# KiCad board 2 - CPU and core components (Rev 2.2).kicad_pcb
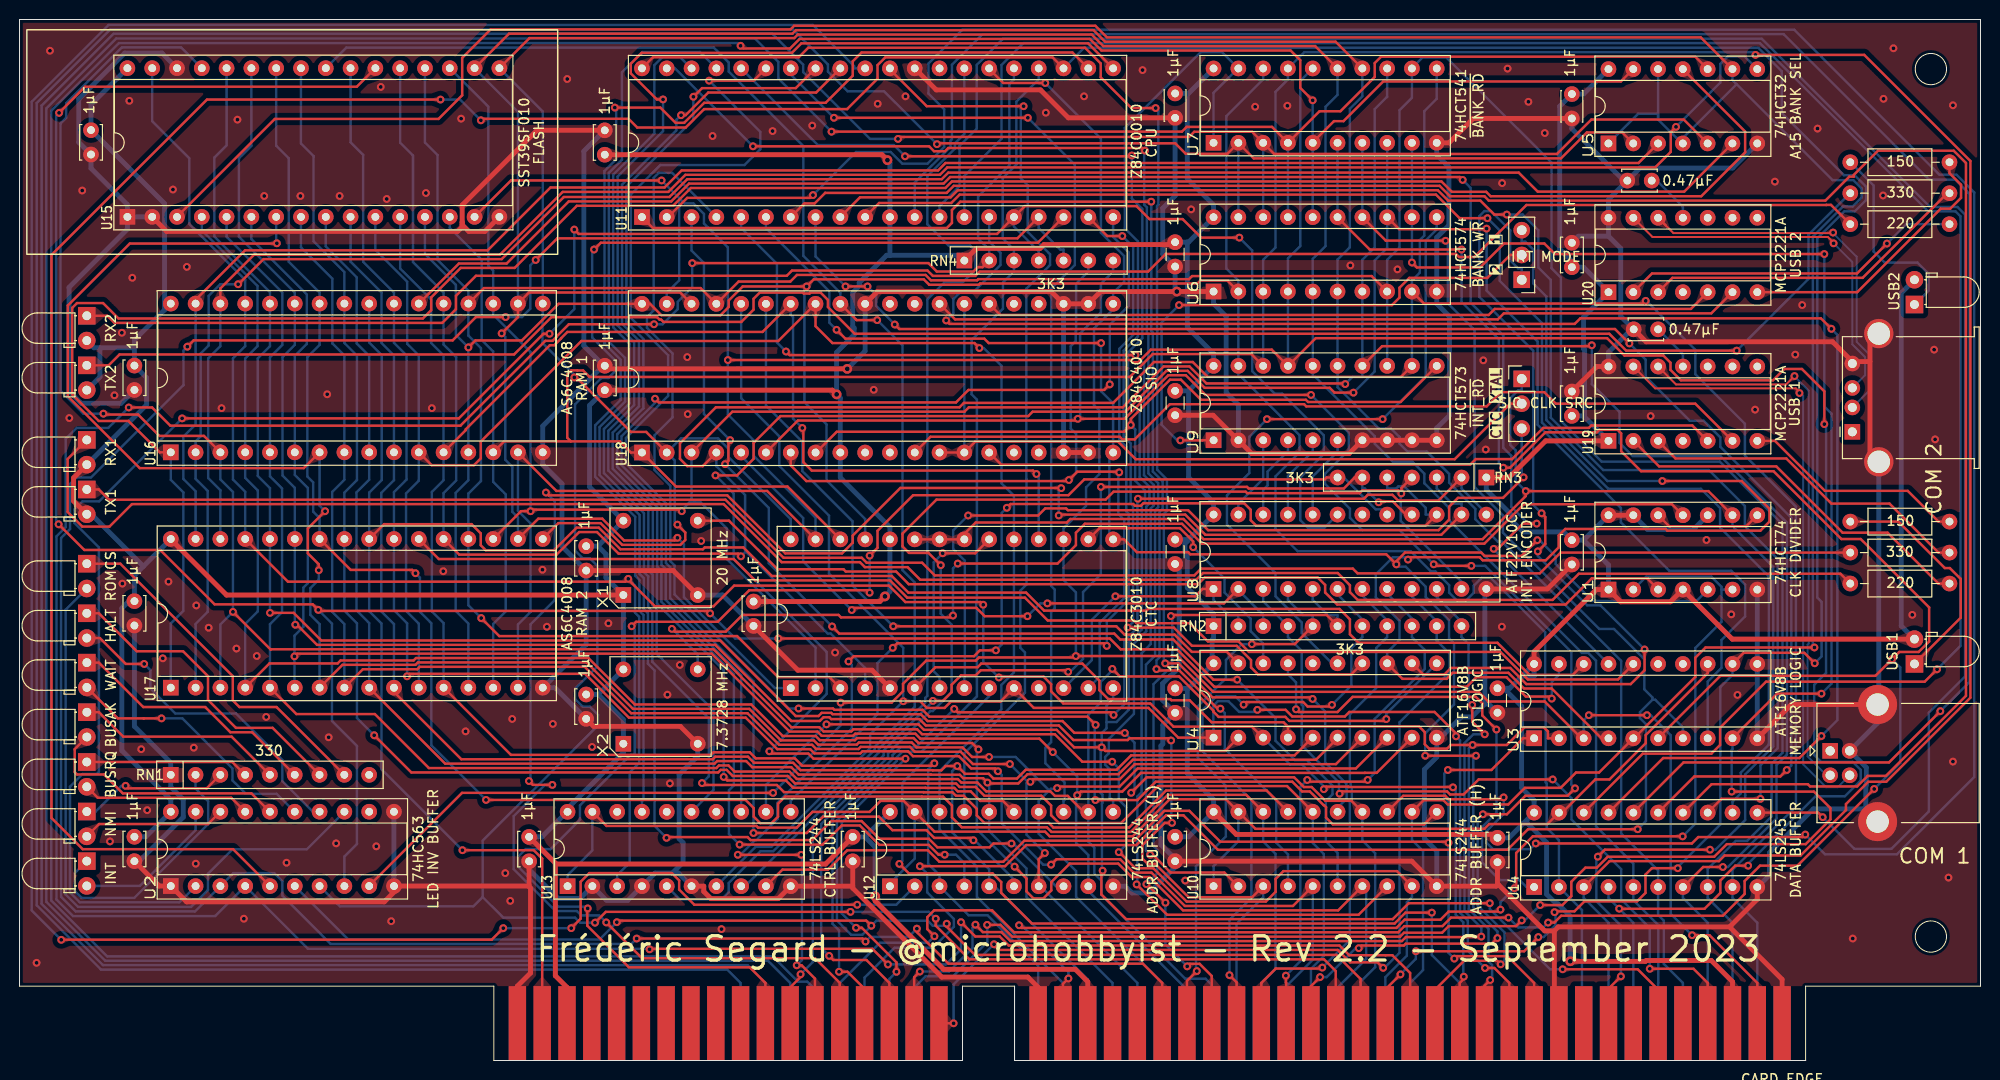
[diagram p0: board, top side]
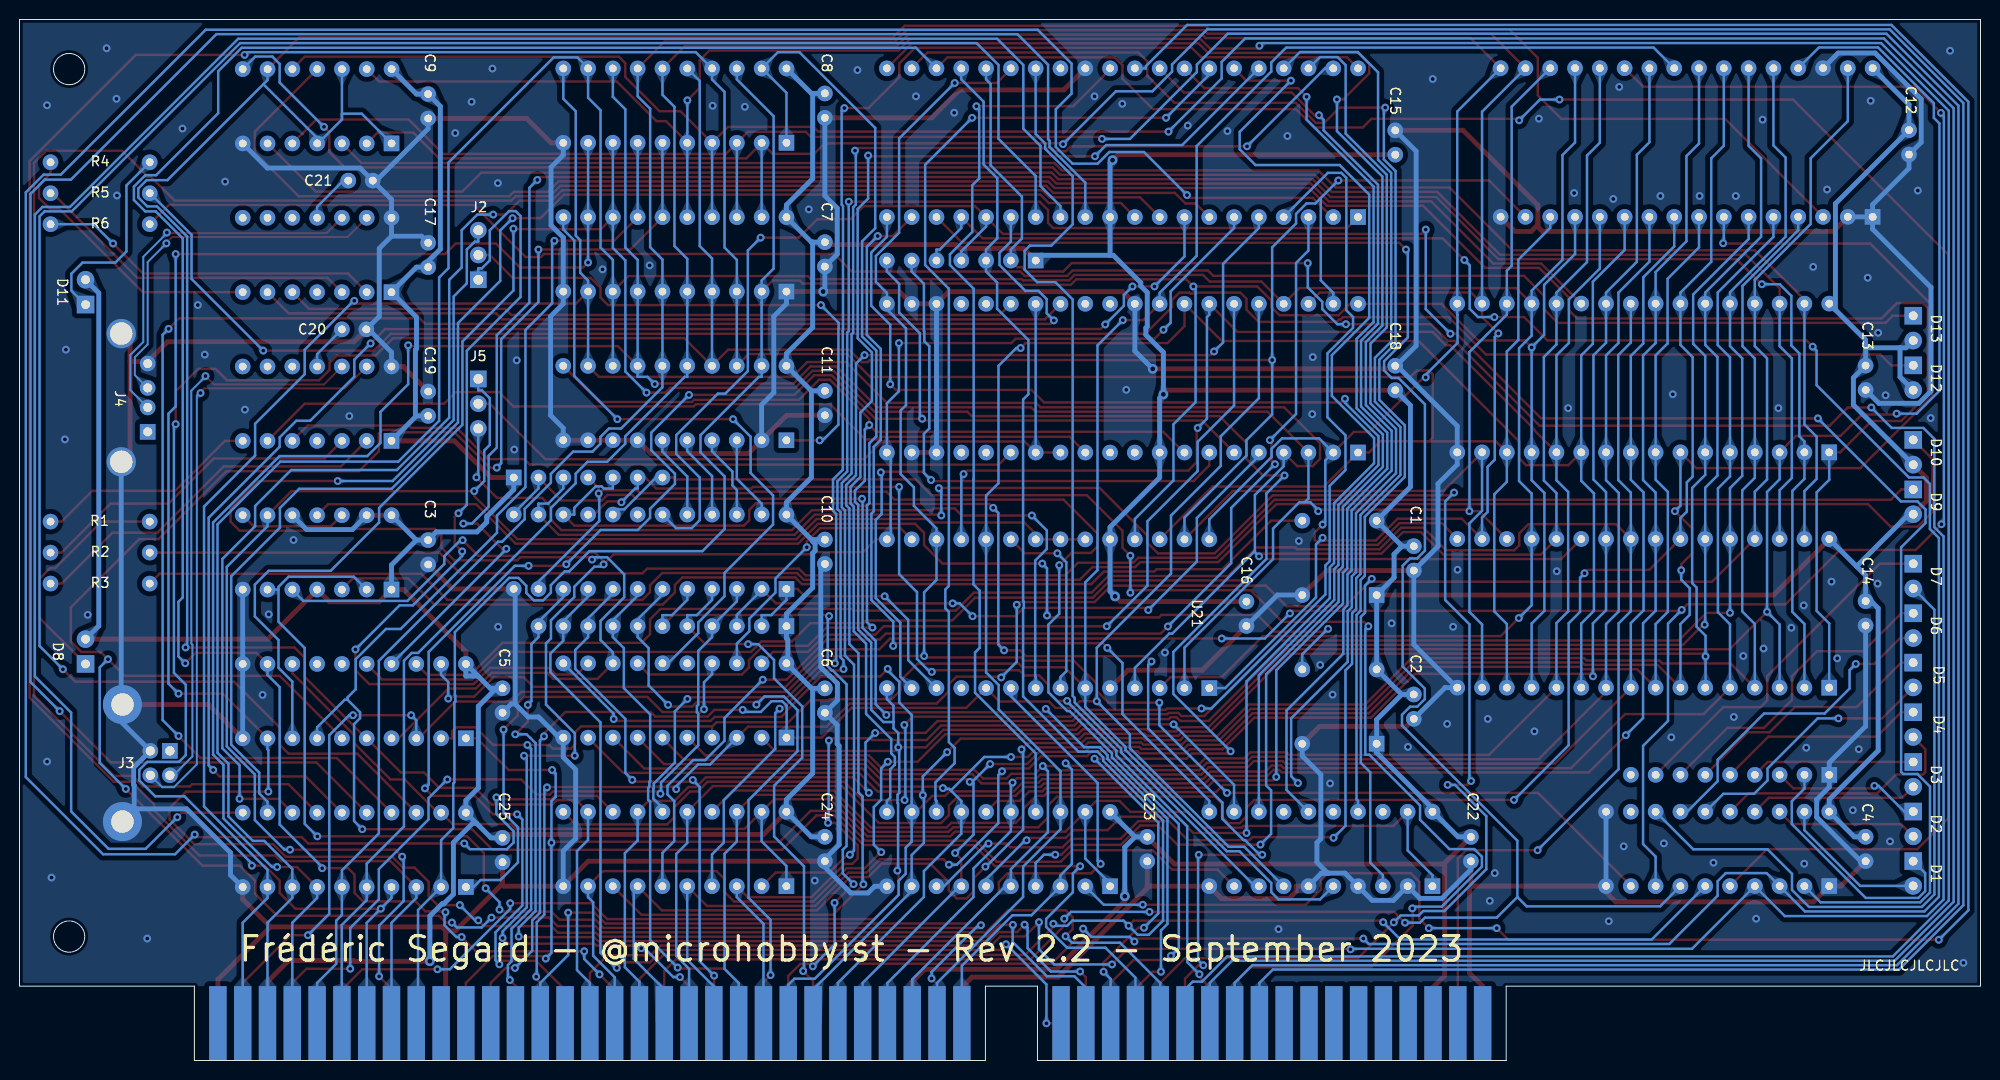
[diagram p1: board, bottom side, seen from below]

Outline 200.86 x 106.68 mm; copper layers: Top, Bottom. Coordinates in mm from the lower left corner of the outline.
Outline path: circle c195.78,101.6 r1.6 ; circle c195.78,12.7 r1.6 ; 0,106.68 200.86,106.68 200.86,7.62 182.95,7.62 182.95,0 101.92,0 101.92,7.62 96.59,7.62 96.59,0 48.58,0 48.58,7.62 0,7.62 0,106.68
Stack: Top 0.035mm / dielectric 1.51mm FR4 er 4.5 / Bottom 0.035mm

## Placement (name value [footprint] x y rotation side)
C1  1µF  [C_Disc_D3.4mm_W2.1mm_P2.50mm]  58.04 52.71 270 top
C2  1µF  [C_Disc_D3.4mm_W2.1mm_P2.50mm]  58.04 37.51 270 top
C3  1µF  [C_Disc_D3.4mm_W2.1mm_P2.50mm]  159 53.33 270 top
C4  1µF  [C_Disc_D3.4mm_W2.1mm_P2.50mm]  11.77 22.92 270 top
C5  1µF  [C_Disc_D3.0mm_W1.6mm_P2.50mm]  151.38 38.14 270 top
C6  1µF  [C_Disc_D3.0mm_W1.6mm_P2.50mm]  118.36 38.13 270 top
C7  1µF  [C_Disc_D3.0mm_W1.6mm_P2.50mm]  118.36 83.86 270 top
C8  1µF  [C_Disc_D3.0mm_W2.0mm_P2.50mm]  118.36 99.1 270 top
C9  1µF  [C_Disc_D3.0mm_W2.0mm_P2.50mm]  159 99.04 270 top
C10  1µF  [C_Disc_D3.0mm_W1.6mm_P2.50mm]  118.36 53.38 270 top
C11  1µF  [C_Disc_D3.0mm_W1.6mm_P2.50mm]  118.36 68.62 270 top
C12  1µF  [C_Disc_D3.4mm_W2.1mm_P2.50mm]  7.32 95.34 270 top
C13  1µF  [C_Disc_D3.4mm_W2.1mm_P2.50mm]  11.77 71.21 270 top
C14  1µF  [C_Disc_D3.4mm_W2.1mm_P2.50mm]  11.77 47.07 270 top
C15  1µF  [C_Disc_D3.4mm_W2.1mm_P2.50mm]  59.94 92.82 90 top
C16  1µF  [C_Disc_D3.4mm_W2.1mm_P2.50mm]  75.18 47.03 270 top
C17  1µF  [C_Disc_D3.4mm_W2.1mm_P2.50mm]  159 81.3 90 top
C18  1µF  [C_Disc_D3.4mm_W2.1mm_P2.50mm]  59.94 68.69 90 top
C19  1µF  [C_Disc_D3.4mm_W2.1mm_P2.50mm]  159 66.06 90 top
C20  0.47µF  [C_Disc_D3.4mm_W2.1mm_P2.50mm]  167.84 74.93 180 top
C21  0.47µF  [C_Disc_D3.4mm_W2.1mm_P2.50mm]  167.18 90.17 180 top
C22  1µF  [C_Disc_D3.4mm_W2.1mm_P2.50mm]  52.2 22.91 270 top
C23  1µF  [C_Disc_D3.4mm_W2.1mm_P2.50mm]  85.34 22.91 270 top
C24  1µF  [C_Disc_D3.4mm_W2.1mm_P2.50mm]  118.36 22.92 270 top
C25  1µF  [C_Disc_D3.4mm_W2.1mm_P2.50mm]  151.38 22.82 270 top
D1  INT  [LED_D3.0mm_Horizontal_O1.27mm_Z2.0mm_Clear]  6.89 20.43 270 top
D2  NMI  [LED_D3.0mm_Horizontal_O1.27mm_Z2.0mm_Clear]  6.89 25.51 270 top
D3  BUSRQ  [LED_D3.0mm_Horizontal_O1.27mm_Z2.0mm_Clear]  6.89 30.59 270 top
D4  BUSAK  [LED_D3.0mm_Horizontal_O1.27mm_Z2.0mm_Clear]  6.9 35.69 270 top
D5  WAIT  [LED_D3.0mm_Horizontal_O1.27mm_Z2.0mm_Clear]  6.9 40.77 270 top
D6  HALT  [LED_D3.0mm_Horizontal_O1.27mm_Z2.0mm_Clear]  6.89 45.83 270 top
D7  ROMCS  [LED_D3.0mm_Horizontal_O1.27mm_Z2.0mm_Clear]  6.89 50.91 270 top
D8  USB1  [LED_D3.0mm_Horizontal_O1.27mm_Z2.0mm_Clear]  194.09 40.64 90 top
D9  TX1  [LED_D3.0mm_Horizontal_O1.27mm_Z2.0mm_Clear]  6.89 58.52 270 top
D10  RX1  [LED_D3.0mm_Horizontal_O1.27mm_Z2.0mm_Clear]  6.89 63.6 270 top
D11  USB2  [LED_D3.0mm_Horizontal_O1.27mm_Z2.0mm_Clear]  194.09 77.47 90 top
D12  TX2  [LED_D3.0mm_Horizontal_O1.27mm_Z2.0mm_Clear]  6.89 71.24 270 top
D13  RX2  [LED_D3.0mm_Horizontal_O1.27mm_Z2.0mm_Clear]  6.89 76.32 270 top
J1  CARD EDGE  [BUS_AT v2]  180.54 0 0 top
J2  INT MODE  [PinHeader_1x03_P2.54mm_Vertical]  153.87 80.01 180 top
J3  COM 1  [USB_B_Lumberg_2411_02_Horizontal]  185.46 31.73 0 top
J4  COM 2  [USB_A_Stewart_SS-52100-001_Horizontal]  187.73 64.42 90 top
J5  SIO CLK SRC  [PinHeader_1x03_P2.54mm_Vertical]  153.87 69.85 0 top
R1  150  [R_Axial_DIN0207_L6.3mm_D2.5mm_P10.16mm_Horizontal]  187.52 55.22 0 top
R2  330  [R_Axial_DIN0207_L6.3mm_D2.5mm_P10.16mm_Horizontal]  187.52 52.05 0 top
R3  220  [R_Axial_DIN0207_L6.3mm_D2.5mm_P10.16mm_Horizontal]  187.52 48.87 0 top
R4  150  [R_Axial_DIN0207_L6.3mm_D2.5mm_P10.16mm_Horizontal]  187.52 92.05 0 top
R5  330  [R_Axial_DIN0207_L6.3mm_D2.5mm_P10.16mm_Horizontal]  187.52 88.88 0 top
R6  220  [R_Axial_DIN0207_L6.3mm_D2.5mm_P10.16mm_Horizontal]  187.52 85.7 0 top
RN1  330  [R_Array_SIP9]  15.49 29.27 0 top
RN2  3K3  [R_Array_SIP11]  122.3 44.51 0 top
RN3  3K3  [R_Array_SIP7]  150.24 59.74 180 top
RN4  3K3  [R_Array_SIP7]  96.77 81.98 0 top
U1  74HCT74  [DIP-14_W7.62mm_Socket]  162.76 48.26 90 top
U2  74HC563  [DIP-20_W7.62mm_Socket]  15.49 17.87 90 top
U3  ATF16V8B  [DIP-20_W7.62mm_Socket]  155.14 33.02 90 top
U4  ATF16V8B  [DIP-20_W7.62mm_Socket]  122.3 33.08 90 top
U5  74HCT32  [DIP-14_W7.62mm_Socket]  162.75 93.98 90 top
U6  74HCT574  [DIP-20_W7.62mm_Socket]  122.3 78.8 90 top
U7  74HCT541  [DIP-20_W7.62mm_Socket]  122.3 94.04 90 top
U8  ATF22V10C  [DIP-24_W7.62mm_Socket]  122.3 48.32 90 top
U9  74HCT573  [DIP-20_W7.62mm_Socket]  122.31 63.56 90 top
U10  74LS244  [DIP-20_W7.62mm_Socket]  122.31 17.86 90 top
U11  Z84C0010  [DIP-40_W15.24mm_Socket]  63.75 86.43 90 top
U12  74LS244  [DIP-20_W7.62mm_Socket]  89.15 17.85 90 top
U13  74LS244  [DIP-20_W7.62mm_Socket]  56.13 17.86 90 top
U14  74LS245  [DIP-20_W7.62mm_Socket]  155.14 17.78 90 top
U15  SST39SF010  [DIP-32_W15.24mm_Socket]  11.05 86.45 90 top
U16  AS6C4008  [DIP-32_W15.24mm_Socket]  15.49 62.32 90 top
U17  AS6C4008  [DIP-32_W15.24mm_Socket]  15.49 38.2 90 top
U18  Z84C4010  [DIP-40_W15.24mm_Socket]  63.75 62.3 90 top
U19  MCP2221A  [DIP-14_W7.62mm_Socket]  162.76 63.5 90 top
U20  MCP2221A  [DIP-14_W7.62mm_Socket]  162.76 78.74 90 top
U21  Z84C3010  [DIP-28_W15.24mm_Socket]  78.99 38.16 90 top
X1  20 MHz  [DIP-8-4_W7.62mm_Oscillator_Socket]  61.85 47.7 90 top
X2  7.3728 MHz  [DIP-8-4_W7.62mm_Oscillator_Socket]  61.85 32.46 90 top

## Library data of the parts
C1-C25 = -: Description: Unpolarized capacitor
D1 D2 = -: Description: Light emitting diode; Field4: GRN
D3 D4 = -: Description: Light emitting diode; Field4: BLU
D5 D6 = -: Description: Light emitting diode; Field4: YEL
D7 = -: Description: Light emitting diode; Field4: WHT
D8 D11 = -: Description: Light emitting diode; Color: YEL
D9 D12 = -: Description: Light emitting diode; Color: RED
D10 D13 = -: Description: Light emitting diode; Color: GRN
J1 = -: Description: Standard Card Edge Connectors; Field4: Updated by Frédéric Segard (@microhobbyist); Field5: 16-BIT ISA CARD EDGE BOARD
J2 J5 = -: Description: Generic connector, single row, 01x03, script generated (kicad-library-utils/schlib/autogen/connector/)
J3 = -: Description: USB Type B connector
J4 = -: Description: USB Type A connector
R1-R6 = -: Description: Resistor, US symbol
RN1 = -: Description: 8 resistor network, star topology, bussed resistors, small US symbol
RN2 = -: Description: 10 resistor network, star topology, bussed resistors, small US symbol
RN3 RN4 = -: Description: 6 resistor network, star topology, bussed resistors, small US symbol
U1 = -: Description: Dual D Flip-flop, Set & Reset
U2 = -: Description: 8-bit transparent latch 3-state inverting outputs
U3 U4 = -: Description: High-performance EE PLD, 10 inputs, 8 I/O
U5 = -: Description: Quad 2-input OR
U6 = -: Description: 8-bit Register, 3-state outputs
U7 = -: Description: 8-bit Buffer/Line Driver 3-state outputs
U8 = -: Description: High-performance EE PLD, 12 inputs, 10 I/O
U9 = -: Description: 8-bit Latch 3-state outputs
U10 U12 U13 = -: Description: Octal Buffer and Line Driver With 3-State Output, active-low enables, non-inverting outputs
U11 = -: Description: Z80 CPU
U14 = -: Description: Octal BUS Transceivers, 3-State outputs
U15 = -: Description: 128K x 8 Low Power CMOS NOE FLASH, DIP-32
U16 U17 = -: Description: 512K x 8 Low Power CMOS RAM, DIP-32
U18 = -: Description: Z80 SIO/0
U19 U20 = -: Description: USB 2.0 to I2C/UART Protocol Converter with GPIO
U21 = -: Description: Z80 CTC
X1 X2 = -: Description: Crystal Clock Oscillator, DIP8-style metal package

## Footprints (pads in the part's own frame, mm; a bottom-side part is the same pattern mirrored in y, then rotated)
BUS_AT v2
  rect 1.78x7.62 smd far side: 1(0,3.81) 2(-2.54,3.81) 3(-5.08,3.81) 4(-7.62,3.81) 5(-10.16,3.81) 6(-12.7,3.81) 7(-15.24,3.81) 8(-17.78,3.81) 9(-20.32,3.81) 10(-22.86,3.81) 11(-25.4,3.81) 12(-27.94,3.81) 13(-30.48,3.81) 14(-33.02,3.81) 15(-35.56,3.81) 16(-38.1,3.81) 17(-40.64,3.81) 18(-43.18,3.81) 19(-45.72,3.81) 20(-48.26,3.81) 21(-50.8,3.81) 22(-53.34,3.81) 23(-55.88,3.81) 24(-58.42,3.81) 25(-60.96,3.81) 26(-63.5,3.81) 27(-66.04,3.81) 28(-68.58,3.81) 29(-71.12,3.81) 30(-73.66,3.81) 31(-76.2,3.81) 63(-86.36,3.81) 64(-88.9,3.81) 65(-91.44,3.81) 66(-93.98,3.81) 67(-96.52,3.81) 68(-99.06,3.81) 69(-101.6,3.81) 70(-104.14,3.81) 71(-106.68,3.81) 72(-109.22,3.81) 73(-111.76,3.81) 74(-114.3,3.81) 75(-116.84,3.81) 76(-119.38,3.81) 77(-121.92,3.81) 78(-124.46,3.81) 79(-127,3.81) 80(-129.54,3.81)
  rect 1.78x7.62 smd: 32(0,3.81) 33(-2.54,3.81) 34(-5.08,3.81) 35(-7.62,3.81) 36(-10.16,3.81) 37(-12.7,3.81) 38(-15.24,3.81) 39(-17.78,3.81) 40(-20.32,3.81) 41(-22.86,3.81) 42(-25.4,3.81) 43(-27.94,3.81) 44(-30.48,3.81) 45(-33.02,3.81) 46(-35.56,3.81) 47(-38.1,3.81) 48(-40.64,3.81) 49(-43.18,3.81) 50(-45.72,3.81) 51(-48.26,3.81) 52(-50.8,3.81) 53(-53.34,3.81) 54(-55.88,3.81) 55(-58.42,3.81) 56(-60.96,3.81) 57(-63.5,3.81) 58(-66.04,3.81) 59(-68.58,3.81) 60(-71.12,3.81) 61(-73.66,3.81) 62(-76.2,3.81) 81(-86.36,3.81) 82(-88.9,3.81) 83(-91.44,3.81) 84(-93.98,3.81) 85(-96.52,3.81) 86(-99.06,3.81) 87(-101.6,3.81) 88(-104.14,3.81) 89(-106.68,3.81) 90(-109.22,3.81) 91(-111.76,3.81) 92(-114.3,3.81) 93(-116.84,3.81) 94(-119.38,3.81) 95(-121.92,3.81) 96(-124.46,3.81) 97(-127,3.81) 98(-129.54,3.81)
C_Disc_D3.0mm_W1.6mm_P2.50mm
  round 1.6 hole 0.8: 1(0,0) 2(2.5,0)
C_Disc_D3.0mm_W2.0mm_P2.50mm
  round 1.6 hole 0.8: 1(0,0) 2(2.5,0)
C_Disc_D3.4mm_W2.1mm_P2.50mm
  round 1.6 hole 0.8: 1(0,0) 2(2.5,0)
DIP-8-4_W7.62mm_Oscillator_Socket
  rect 1.6x1.6 hole 0.8: 1(0,0)
  oval 1.6x1.6 hole 0.8: 4(0,-7.62) 5(7.62,-7.62) 8(7.62,0)
DIP-14_W7.62mm_Socket
  rect 1.6x1.6 hole 0.8: 1(0,0)
  oval 1.6x1.6 hole 0.8: 2(0,-2.54) 3(0,-5.08) 4(0,-7.62) 5(0,-10.16) 6(0,-12.7) 7(0,-15.24) 8(7.62,-15.24) 9(7.62,-12.7) 10(7.62,-10.16) 11(7.62,-7.62) 12(7.62,-5.08) 13(7.62,-2.54) 14(7.62,0)
DIP-20_W7.62mm_Socket
  rect 1.6x1.6 hole 0.8: 1(0,0)
  oval 1.6x1.6 hole 0.8: 2(0,-2.54) 3(0,-5.08) 4(0,-7.62) 5(0,-10.16) 6(0,-12.7) 7(0,-15.24) 8(0,-17.78) 9(0,-20.32) 10(0,-22.86) 11(7.62,-22.86) 12(7.62,-20.32) 13(7.62,-17.78) 14(7.62,-15.24) 15(7.62,-12.7) 16(7.62,-10.16) 17(7.62,-7.62) 18(7.62,-5.08) 19(7.62,-2.54) 20(7.62,0)
DIP-24_W7.62mm_Socket
  rect 1.6x1.6 hole 0.8: 1(0,0)
  oval 1.6x1.6 hole 0.8: 2(0,-2.54) 3(0,-5.08) 4(0,-7.62) 5(0,-10.16) 6(0,-12.7) 7(0,-15.24) 8(0,-17.78) 9(0,-20.32) 10(0,-22.86) 11(0,-25.4) 12(0,-27.94) 13(7.62,-27.94) 14(7.62,-25.4) 15(7.62,-22.86) 16(7.62,-20.32) 17(7.62,-17.78) 18(7.62,-15.24) 19(7.62,-12.7) 20(7.62,-10.16) 21(7.62,-7.62) 22(7.62,-5.08) 23(7.62,-2.54) 24(7.62,0)
DIP-28_W15.24mm_Socket
  rect 1.6x1.6 hole 0.8: 1(0,0)
  oval 1.6x1.6 hole 0.8: 2(0,-2.54) 3(0,-5.08) 4(0,-7.62) 5(0,-10.16) 6(0,-12.7) 7(0,-15.24) 8(0,-17.78) 9(0,-20.32) 10(0,-22.86) 11(0,-25.4) 12(0,-27.94) 13(0,-30.48) 14(0,-33.02) 15(15.24,-33.02) 16(15.24,-30.48) 17(15.24,-27.94) 18(15.24,-25.4) 19(15.24,-22.86) 20(15.24,-20.32) 21(15.24,-17.78) 22(15.24,-15.24) 23(15.24,-12.7) 24(15.24,-10.16) 25(15.24,-7.62) 26(15.24,-5.08) 27(15.24,-2.54) 28(15.24,0)
DIP-32_W15.24mm_Socket
  rect 1.6x1.6 hole 0.8: 1(0,0)
  oval 1.6x1.6 hole 0.8: 2(0,-2.54) 3(0,-5.08) 4(0,-7.62) 5(0,-10.16) 6(0,-12.7) 7(0,-15.24) 8(0,-17.78) 9(0,-20.32) 10(0,-22.86) 11(0,-25.4) 12(0,-27.94) 13(0,-30.48) 14(0,-33.02) 15(0,-35.56) 16(0,-38.1) 17(15.24,-38.1) 18(15.24,-35.56) 19(15.24,-33.02) 20(15.24,-30.48) 21(15.24,-27.94) 22(15.24,-25.4) 23(15.24,-22.86) 24(15.24,-20.32) 25(15.24,-17.78) 26(15.24,-15.24) 27(15.24,-12.7) 28(15.24,-10.16) 29(15.24,-7.62) 30(15.24,-5.08) 31(15.24,-2.54) 32(15.24,0)
DIP-40_W15.24mm_Socket
  rect 1.6x1.6 hole 0.8: 1(0,0)
  oval 1.6x1.6 hole 0.8: 2(0,-2.54) 3(0,-5.08) 4(0,-7.62) 5(0,-10.16) 6(0,-12.7) 7(0,-15.24) 8(0,-17.78) 9(0,-20.32) 10(0,-22.86) 11(0,-25.4) 12(0,-27.94) 13(0,-30.48) 14(0,-33.02) 15(0,-35.56) 16(0,-38.1) 17(0,-40.64) 18(0,-43.18) 19(0,-45.72) 20(0,-48.26) 21(15.24,-48.26) 22(15.24,-45.72) 23(15.24,-43.18) 24(15.24,-40.64) 25(15.24,-38.1) 26(15.24,-35.56) 27(15.24,-33.02) 28(15.24,-30.48) 29(15.24,-27.94) 30(15.24,-25.4) 31(15.24,-22.86) 32(15.24,-20.32) 33(15.24,-17.78) 34(15.24,-15.24) 35(15.24,-12.7) 36(15.24,-10.16) 37(15.24,-7.62) 38(15.24,-5.08) 39(15.24,-2.54) 40(15.24,0)
LED_D3.0mm_Horizontal_O1.27mm_Z2.0mm_Clear
  rect 1.8x1.8 hole 0.9: 1(0,0)
  round 1.8 hole 0.9: 2(2.54,0)
PinHeader_1x03_P2.54mm_Vertical
  rect 1.7x1.7 hole 1: 1(0,0)
  oval 1.7x1.7 hole 1: 2(0,-2.54) 3(0,-5.08)
R_Array_SIP7
  rect 1.6x1.6 hole 0.8: 1(0,0)
  oval 1.6x1.6 hole 0.8: 2(2.54,0) 3(5.08,0) 4(7.62,0) 5(10.16,0) 6(12.7,0) 7(15.24,0)
R_Array_SIP9
  rect 1.6x1.6 hole 0.8: 1(0,0)
  oval 1.6x1.6 hole 0.8: 2(2.54,0) 3(5.08,0) 4(7.62,0) 5(10.16,0) 6(12.7,0) 7(15.24,0) 8(17.78,0) 9(20.32,0)
R_Array_SIP11
  rect 1.6x1.6 hole 0.8: 1(0,0)
  oval 1.6x1.6 hole 0.8: 2(2.54,0) 3(5.08,0) 4(7.62,0) 5(10.16,0) 6(12.7,0) 7(15.24,0) 8(17.78,0) 9(20.32,0) 10(22.86,0) 11(25.4,0)
R_Axial_DIN0207_L6.3mm_D2.5mm_P10.16mm_Horizontal
  round 1.6 hole 0.8: 1(0,0)
  oval 1.6x1.6 hole 0.8: 2(10.16,0)
USB_A_Stewart_SS-52100-001_Horizontal
  rect 1.6x1.6 hole 0.92: 1(0,0)
  round 1.6 hole 0.92: 2(2.5,0) 3(4.5,0) 4(7,0)
  round 3 hole 2.3: 5(-3.07,-2.71) 5(10.07,-2.71)
USB_B_Lumberg_2411_02_Horizontal
  rect 1.6x1.6 hole 0.95: 1(0,0)
  round 1.6 hole 0.95: 2(0,-2.5) 3(2,-2.5) 4(2,0)
  round 4 hole 2.3: 5(4.86,4.75) 5(4.86,-7.25)

## Nets
+3V3: J1.36
+5V: C1.1 C2.1 C3.1 C4.1 C5.1 C6.1 C7.1 C8.1 C9.1 C10.1 C11.1 C12.1 C13.1 C14.1 C15.1 C16.1 C17.1 C18.1 C19.1 C22.1 C23.1 C24.1 C25.1 D8.2 D9.2 D10.2 D11.2 D12.2 D13.2 J1.34 J1.60 J1.96 RN2.1 RN3.1 RN4.1 U1.1 U1.4 U1.10 U1.13 U1.14 U2.20 U3.20 U4.20 U5.14 U6.20 U7.20 U8.24 U9.20 U10.20 U11.11 U12.20 U13.20 U14.20 U15.32 U16.32 U17.32 U18.9 U19.1 U20.1 U21.24 X1.1 X1.8 X2.1 X2.8
+12V: J1.40
-12V: J1.38
GND: C1.2 C2.2 C3.2 C4.2 C5.2 C6.2 C7.2 C8.2 C9.2 C10.2 C11.2 C12.2 C13.2 C14.2 C15.2 C16.2 C17.2 C18.2 C19.2 C20.2 C21.2 C22.2 C23.2 C24.2 C25.2 J1.32 J1.41 J1.62 J1.98 J3.4 J3.5 J4.4 J4.5 RN1.1 U1.7 U2.1 U2.10 U2.11 U3.10 U3.11 U4.10 U5.7 U6.1 U6.10 U7.10 U8.12 U9.2 U9.7 U9.8 U9.9 U9.10 U10.10 U11.29 U12.10 U13.2 U13.4 U13.6 U13.10 U14.10 U15.1 U15.2 U15.16 U15.30 U16.16 U17.16 U18.18 U18.19 U18.22 U18.23 U18.31 U19.14 U20.14 U21.5 X1.4 X2.4
/CPU and Buffers/AA0: U11.30 U12.17
/CPU and Buffers/AA1: U11.31 U12.2
/CPU and Buffers/AA2: U11.32 U12.15
/CPU and Buffers/AA3: U11.33 U12.4
/CPU and Buffers/AA4: U11.34 U12.13
/CPU and Buffers/AA5: U11.35 U12.6
/CPU and Buffers/AA6: U11.36 U12.11
/CPU and Buffers/AA7: U11.37 U12.8
/CPU and Buffers/AA8: U10.17 U11.38
/CPU and Buffers/AA9: U10.2 U11.39
/CPU and Buffers/AA10: U10.15 U11.40
/CPU and Buffers/AA11: U10.4 U11.1
/CPU and Buffers/AA12: U10.13 U11.2
/CPU and Buffers/AA13: U10.6 U11.3
/CPU and Buffers/AA14: U10.11 U11.4
/CPU and Buffers/AA15: U10.8 U11.5
/CPU and Buffers/DD0: U11.14 U14.18
/CPU and Buffers/DD1: U11.15 U14.17
/CPU and Buffers/DD2: U11.12 U14.16
/CPU and Buffers/DD3: U11.8 U14.15
/CPU and Buffers/DD4: U11.7 U14.14
/CPU and Buffers/DD5: U11.9 U14.13
/CPU and Buffers/DD6: U11.10 U14.12
/CPU and Buffers/DD7: U11.13 U14.11
/CPU and Buffers/~{CIORQ}: U11.20 U13.13
/CPU and Buffers/~{CM1}: U11.27 U13.8
/CPU and Buffers/~{CMREQ}: U11.19 U13.11
/CPU and Buffers/~{CRD}: U11.21 U13.15
/CPU and Buffers/~{CWR}: U11.22 U13.17
/D8: J1.73
/D9: J1.74
/D10: J1.75
/D11: J1.76
/D12: J1.77
/D13: J1.78
/D14: J1.79
/D15: J1.80
/Glue Logic/~{RAM_SEL}: U3.15
/Glue Logic/~{ROM_SEL}: U3.14
/IEO: J1.15
/MISO: J1.12
/MOSI: J1.11
/RX: J1.10
/RX2: J1.72
/SCL: J1.58
/SCLK: J1.13
/SDA: J1.59
/SIO/D1+: J3.3 U19.13
/SIO/D1-: J3.2 U19.12
/SIO/D2+: J4.3 U20.13
/SIO/D2-: J4.2 U20.12
/TX: J1.1
/TX2: J1.63
/USR1: J1.89
/USR2: J1.90
/USR3: J1.91
/USR4: J1.92
/USR5: J1.93
/USR6: J1.94
/USR7: J1.95
A0: J1.31 U12.3 U15.12 U16.12 U17.12 U18.34 U21.18
A1: J1.30 U12.18 U15.11 U16.11 U17.11 U18.33 U21.19
A2: J1.29 U4.5 U12.5 U15.10 U16.10 U17.10
A3: J1.28 U4.6 U12.16 U15.9 U16.9 U17.9
A4: J1.27 U4.7 U12.7 U15.8 U16.8 U17.8
A5: J1.26 U4.8 U12.14 U15.7 U16.7 U17.7
A6: J1.25 U4.9 U12.9 U15.6 U16.6 U17.6
A7: J1.24 U4.11 U12.12 U15.5 U16.5 U17.5
A8: J1.23 U10.3 U15.27 U16.27 U17.27
A9: J1.22 U10.18 U15.26 U16.26 U17.26
A10: J1.21 U10.5 U15.23 U16.23 U17.23
A11: J1.20 U10.16 U15.25 U16.25 U17.25
A12: J1.19 U10.7 U15.4 U16.4 U17.4
A13: J1.18 U10.14 U15.28 U16.28 U17.28
A14: J1.17 U10.9 U15.29 U16.3 U17.3
A15: J1.16 U3.5 U5.1 U5.4 U5.9 U5.12 U10.12 U15.3
BA15: U5.3 U16.31 U17.31
BA16: U5.6 U16.2 U17.2
BA17: U5.8 U16.30 U17.30
BA18: U5.11 U16.1 U17.1
BUS_IEI: J1.46 RN4.7 U18.6
BUSAK: U3.13 U10.1 U10.19 U12.1 U12.19 U13.1 U13.19 U14.19
CLK: J1.51 U1.5 U11.6 U18.20 U21.15
CLK2: J1.39 J5.1 U1.9 U21.21 U21.22 U21.23
CTC_IEI: RN4.6 U18.7 U21.13
CTCLK1: J5.3 U21.8
CTCLK2: J1.14 U21.9
D0: J1.9 U6.2 U7.18 U9.19 U14.2 U15.13 U16.13 U17.13 U18.40 U21.25
D1: J1.8 U6.3 U7.17 U9.18 U14.3 U15.14 U16.14 U17.14 U18.1 U21.26
D2: J1.7 U6.4 U7.16 U9.17 U14.4 U15.15 U16.15 U17.15 U18.39 U21.27
D3: J1.6 U6.5 U7.15 U9.16 U14.5 U15.17 U16.17 U17.17 U18.2 U21.28
D4: J1.5 U6.6 U7.14 U9.15 U14.6 U15.18 U16.18 U17.18 U18.38 U21.1
D5: J1.4 U6.7 U7.13 U9.14 U14.7 U15.19 U16.19 U17.19 U18.3 U21.2
D6: J1.3 U6.8 U7.12 U9.13 U14.8 U15.20 U16.20 U17.20 U18.37 U21.3
D7: J1.2 U6.9 U7.11 U9.12 U14.9 U15.21 U16.21 U17.21 U18.4 U21.4
RBA15: J1.71 U5.2 U6.19 U7.2
RBA16: J1.70 U5.5 U6.18 U7.3
RBA17: J1.69 U5.10 U6.17 U7.4
RBA18: J1.68 U5.13 U6.16 U7.5
RBA19: J1.67 U3.6 U6.15 U7.6
RBA20: J1.66 U3.7 U6.14 U7.7
RBA21: J1.65 U3.8 U6.13 U7.8
RBA22: J1.64 U3.9 U6.12 U7.9
RD: U4.17 U14.1
~{BANK_RD}: U4.14 U7.1 U7.19
~{BANK_WR}: U4.15 U6.11
~{BUSAK}: J1.48 U2.5 U3.12 U11.23
~{BUSRQ}: J1.47 RN4.2 U2.4 U11.25
~{CLK}: J1.61 U1.2 U1.6
~{CTC_CS}: U4.18 U21.16
~{HALT}: J1.50 U2.7 U11.18
~{INT}: RN4.4 U2.2 U8.19 U11.16
~{IORQ}: J1.43 U4.1 U13.7 U18.36 U21.10
~{IRQ}0: RN2.2 U8.1 U21.12
~{IRQ}1: RN2.3 U8.2 U18.5
~{IRQ}2: J1.35 RN2.4 U8.3
~{IRQ}3: J1.56 RN2.5 U8.4
~{IRQ}4: J1.55 RN2.6 U8.5
~{IRQ}5: J1.54 RN2.7 U8.6
~{IRQ}6: J1.53 RN2.8 U8.7
~{IRQ}7: J1.52 RN2.9 U8.8
~{IRQ}8: J1.81 RN2.10 U8.9
~{IRQ}9: J1.82 RN2.11 U8.10
~{IRQ}10: J1.83 RN3.4 U8.11
~{IRQ}11: J1.84 RN3.2 U8.13
~{IRQ}12: J1.85 RN3.3 U8.14
~{IRQ}13: J1.86 RN3.5 U8.15
~{IRQ}14: J1.87 RN3.6 U8.16
~{IRQ}15: J1.88 RN3.7 U8.17
~{M1}: J1.37 U4.2 U9.11 U13.12 U18.8 U21.14
~{MODE1}: J2.3 U3.4 U4.13
~{MODE2}: J2.1 U4.12
~{MREQ}: J1.42 U3.1 U13.9
~{NMI}: J1.57 RN4.5 U2.3 U11.17
~{RAM1_CS}: U3.17 U16.22
~{RAM2_CS}: U3.16 U17.22
~{RAM_OE}: J1.97 U3.18 U16.24 U17.24
~{RD}: J1.44 U3.2 U4.4 U13.5 U15.24 U18.32 U21.6
~{RESET}: J1.33 U2.9 U3.3 U11.26 U18.21 U21.17
~{ROM_CS}: U2.8 U3.19 U15.22
~{SIO_CS}: U4.19 U18.35
~{WAIT}: J1.49 RN4.3 U2.6 U11.24
~{WR}: J1.45 U4.3 U13.3 U15.31 U16.29 U17.29
Net-(D1-A): D1.2 U2.19
Net-(D1-K): D1.1 RN1.2
Net-(D2-A): D2.2 U2.18
Net-(D2-K): D2.1 RN1.3
Net-(D3-A): D3.2 U2.17
Net-(D3-K): D3.1 RN1.4
Net-(D4-A): D4.2 U2.16
Net-(D4-K): D4.1 RN1.5
Net-(D5-A): D5.2 U2.15
Net-(D5-K): D5.1 RN1.6
Net-(D6-A): D6.2 U2.14
Net-(D6-K): D6.1 RN1.7
Net-(D7-A): D7.2 U2.13
Net-(D7-K): D7.1 RN1.8
Net-(D8-K): D8.1 R1.1
Net-(D9-K): D9.1 R2.1
Net-(D10-K): D10.1 R3.1
Net-(D11-K): D11.1 R4.1
Net-(D12-K): D12.1 R5.1
Net-(D13-K): D13.1 R6.1
Net-(J2-Pin_2): J2.2 U9.1
Net-(J5-Pin_2): J5.2 U18.13 U18.14 U18.27
Net-(U1A-C): U1.3 X1.5
Net-(U1B-C): U1.11 X2.5
Net-(U1B-D): U1.8 U1.12
Net-(U9-D1): U8.23 U9.3
Net-(U9-D2): U8.22 U9.4
Net-(U9-D3): U8.21 U9.5
Net-(U9-D4): U8.20 U9.6
Net-(U18-RxDA): U18.12 U19.6
Net-(U18-RxDB): U18.28 U20.6
Net-(U18-TxDA): U18.15 U19.5
Net-(U18-TxDB): U18.26 U20.5
Net-(U19-GP0_(Rx)): R3.2 U19.2
Net-(U19-GP1_(Tx)): R2.2 U19.3
Net-(U19-GP2_(USB)): R1.2 U19.7
Net-(U19-VUSB): C20.1 U19.11
Net-(U20-GP0_(Rx)): R6.2 U20.2
Net-(U20-GP1_(Tx)): R5.2 U20.3
Net-(U20-GP2_(USB)): R4.2 U20.7
Net-(U20-VUSB): C21.1 U20.11
Net-(U21-CLK/TRG3): U21.7 U21.20

Pads without a net: J3 1; J4 1; RN1 9; U2 12; U4 16; U8 18; U11 28; U13 14 16 18; U18 10 11 16 17 24 25 29 30; U19 4 8 9 10; U20 4 8 9 10; U21 11

## Via types
v1: diameter 1, hole 0.5, Top to Bottom, 7 vias
v2: diameter 0.8, hole 0.4, Top to Bottom, 437 vias

## Routing (per net, layer and track width the routed paths; a pad name or vN(x,y) marks a point on that pad's centre or on a via; arc(x,y) is an arc through that point)
+5V: length 834.9
  Top w0.5: C16.1 88.12,47.03 v1(88.65,47.56) ; 54.88,20.13 54.88,8.69 56.08,7.49 J1.96 ; 54.88,20.13 54.88,20.23 C22.1 ; 54.88,20.13 82.56,20.13 C23.1 ; X1.1 21.2,47.7 15.49,53.41 U17.32 ; C7.1 118.12,83.62 104.93,83.62 104.54,83.23 98.02,83.23 RN4.1 ; v1(88.9,92.27) 88.34,92.82 C15.1 ; J1.34 175.46,8.07 173.28,10.25 166.63,10.25 166.54,10.16 158.85,10.16 v1(158.83,10.17) ; C18.1 83.26,68.69 v1(83.69,68.26) ; J1.60 109.42,8.07 108.14,9.35 94.65,9.35 87.65,16.35 v1(87.65,16.83) ; U19.1 156.32,63.5 152.56,59.74 RN3.1 ; U10.20 122.31,25.48 124.63,23.16 151.04,23.16 C25.1 ; D10.2 5.54,59.71 5.54,57.33 D9.2 ; D8.2 175.43,43.18 170.38,48.23 U1.4 170.35,48.26 169.1,47.01 164.01,47.01 U1.1 161.51,48.26 155.14,41.89 U3.20 ; U1.13 U1.14
  Bottom w0.5: 154.05,24.31 154.44,24.31 156.42,22.34 156.42,17.04 157.41,16.05 157.58,16.05 158.82,14.81 158.82,10.19 v1(158.83,10.17) ; 154.05,24.31 U14.20 155.14,26.65 153.86,27.93 153.86,36.3 152.01,38.14 ; 154.05,24.31 152.56,22.82 C25.1 ; 14.86,76.93 U16.32 ; 14.86,76.93 11.77,73.84 11.77,73.04 ; 14.86,76.93 14.86,87.81 C12.1 7.32,97.97 U15.32 ; 59.28,37.51 X2.8 X1.1 60.06,49.49 60.06,51.89 59.24,52.71 ; 59.28,37.51 C2.1 ; 59.28,37.51 61.85,34.94 X2.1 61.85,31.55 56.13,25.84 56.13,25.49 ; 119.61,53.38 119.74,53.38 U8.24 122.3,57.19 119.75,59.75 119.75,68.62 ; 119.61,53.38 C10.1 ; 119.61,53.38 119.61,53.2 119.37,52.95 119.37,52.25 119.61,52 119.61,48.45 122.3,45.76 RN2.1 122.3,43.26 122.16,43.12 122.16,40.56 ; D10.2 13.02,67.19 13.02,69.96 C13.1 11.77,73.04 ; C17.1 159.6,81.3 ; 159.6,81.3 160.2,81.3 162.76,78.74 ; 159.6,81.3 157.75,83.15 157.75,97.79 C9.1 160.19,99.04 U5.14 ; D12.2 8.24,70.05 8.24,73.04 ; C1.1 59.24,52.71 ; 59.24,52.71 X1.8 58.39,58.78 58.39,67.14 C18.1 ; 162.76,78.74 U20.1 ; 162.76,78.74 160.2,76.18 160.2,72.94 160.31,72.83 160.31,66.17 160.2,66.06 ; U3.20 155.14,39.39 153.89,39.39 153.89,39.39 ; 11.77,47.63 10.48,46.35 10.48,31.76 15.49,26.74 U2.20 12.92,22.92 C4.1 ; 11.77,47.63 11.77,49.72 12.69,50.64 ; 11.77,47.63 C14.1 ; U19.1 162.76,63.5 160.2,66.06 ; C8.1 119.61,99.1 ; 119.61,99.1 119.61,90.36 122.3,87.67 U6.20 119.74,83.86 119.61,83.86 ; 119.61,99.1 119.74,99.1 U7.20 ; C22.1 52.21,22.92 53.51,22.92 56.09,25.49 ; 119.61,38.13 119.73,38.13 122.16,40.56 ; 119.61,38.13 C6.1 ; 119.61,38.13 119.61,29.43 122.31,26.73 U10.20 119.75,22.92 C24.1 ; 86.59,22.91 U12.20 ; 86.59,22.91 C23.1 ; 86.59,22.91 87.65,21.86 v1(87.65,16.83) ; U1.10 171.44,54.41 166.77,54.41 U1.13 ; C11.1 119.75,68.62 ; 119.75,68.62 U9.20 122.31,72.43 119.62,75.12 119.62,83.86 119.61,83.86 ; 160.21,53.33 162.76,50.78 U1.1 ; 160.21,53.33 C3.1 158.16,54.17 154,54.17 153,55.17 153,55.74 150.24,58.49 RN3.1 ; 160.21,53.33 162.76,55.88 U1.14 ; 122.16,40.56 U4.20 ; C7.1 119.61,83.86 ; D8.2 192.74,44.54 192.74,78.65 D11.2 ; 11.77,73.04 8.24,73.04 ; 153.89,39.39 155.14,40.64 ; 153.89,39.39 152.64,38.14 152.01,38.14 ; 160.2,66.06 C19.1 ; 8.24,73.04 7.63,73.04 D13.2 ; v1(88.9,92.27) 89.15,92.01 U11.11 89.15,82.52 ; v1(88.65,47.56) 89.15,48.07 U21.24 89.15,54.65 84.07,59.73 U18.9 84.07,67.88 v1(83.69,68.26) 83.69,72.57 85.49,74.37 85.49,75.07 85.34,75.22 85.34,78.71 86.01,79.37 86.01,79.71 88.82,82.52 89.15,82.52 ; 12.69,50.64 U17.32 ; 12.69,50.64 7.35,55.98 D9.2 ; 89.15,82.52 96.24,82.52 RN4.1 ; 152.01,38.14 C5.1